# Altium PCB Goldstrike1_Rev01.PcbDoc (part 6 of 7)
Units mm, origin at the board's own origin, x right, y up, seen from the top; angles counter-clockwise.
Board outline 119.3 x 255 mm, 4 copper layers (L1, L2, L3, L4), stack 1.577 mm thick; 722 components, 224 nets, 4532 pads, 1329 vias.
Unrouted connection lines stored in the file: 147.
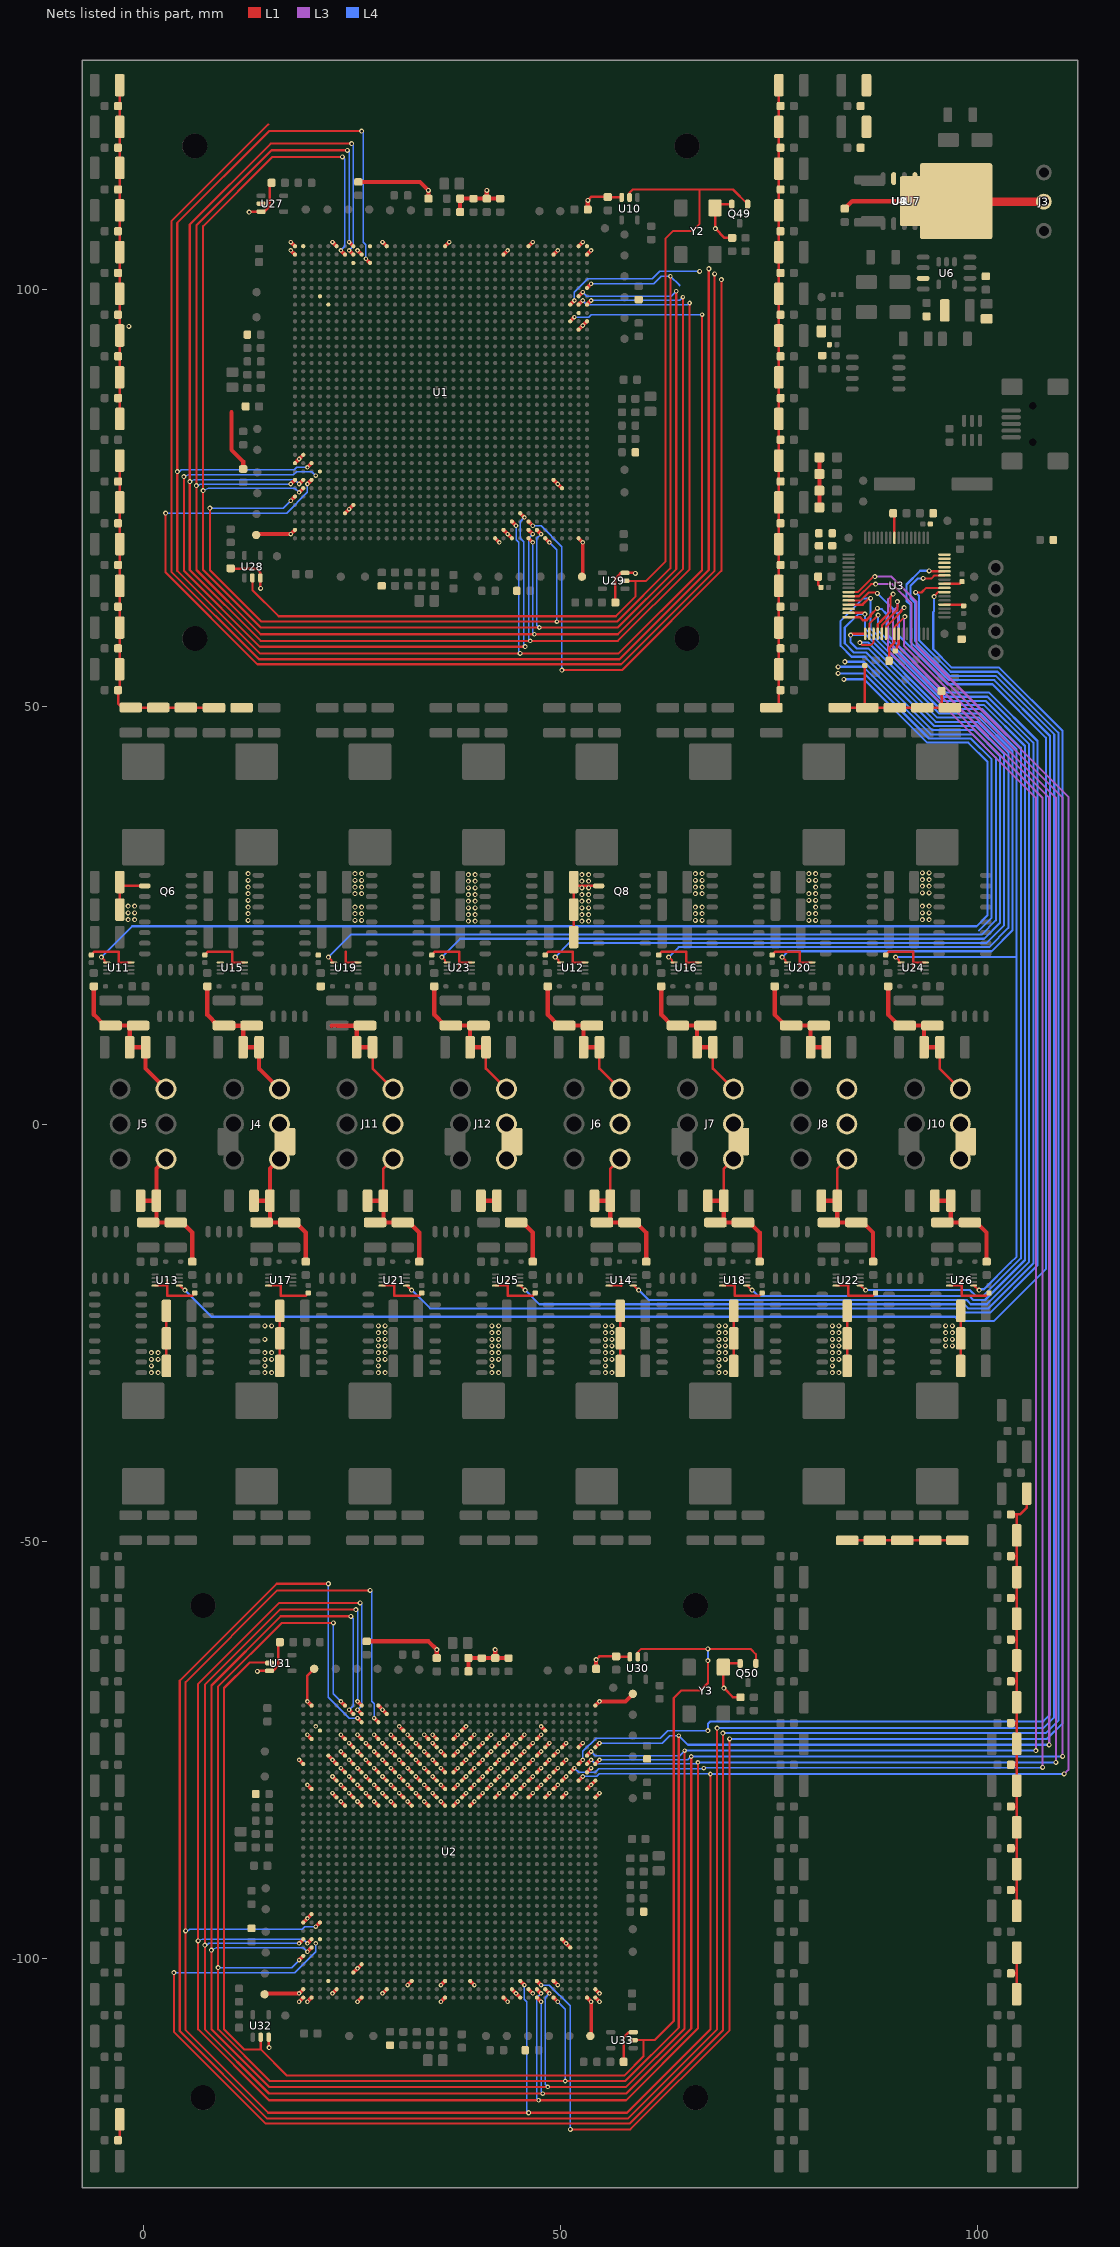
[diagram p8: the nets of this part, all layers, seen from the top]

## Via types
v1: diameter 0.6/0.6/0.6 (per signal layer), hole 0.3, L1 to L4, 672 vias
v2: diameter 0.55/0.55/0.55 (per signal layer), hole 0.25, L1 to L4, 657 vias

## Nets (pads, with @x,y where several pads share a name; then routed paths per layer and width w, separated by ;. In a path a pad name is that pad's centre, name@x,y a point inside that pad or via, vN(x,y) a via of type N, cw(c..) or ccw(c..) an arc to the next point about the centre after c; other vN are vias at no path point) (continued)
GND: C1.2 C2.2 C3.2 C4.2 C5.2 C6.2 C7.2 C8.2 C9.2 C10.2 C11.2 C12.2 C13.1 C14.2 C15.2 C16.2 C17.2 C19.1 C20.1 C21.1 C22.1 C23.1 C24.2 C25.2 C26.2 C32.1 C33.1 C34.1 C35.1 C36.1 C37.1 C38.1 C42.1 C43.1 C47.1 C48.1 C52.1 C53.1 C54.1 C55.1 C56.2 C57.2 C58.2 C59.2 C64.1 C65.1 C67.1 C68.1 C69.1 C70.1 C74.1 C75.1 C79.1 C80.1 C84.1 C85.1 C86.1 C87.1 C88.2 C89.2 C90.2 C91.2 C97.1 C101.1 C102.1 C103.1 C104.1 C105.1 C106.1 C107.1 C111.1 C112.1 C113.1 C114.1 C115.1 C116.1 C117.1 C118.1 C119.1 C120.2 C121.2 C122.2 C123.2 C128.1 C129.1 C133.1 C134.1 C135.1 C136.1 C137.1 C138.1 C139.1 C143.1 C144.1 C145.1 C146.1 C147.1 C150.2 C151.2 C158.2 C159.2 C165.1 C170.1 C171.1 C173.1 C177.1 C182.1 C185.1 C188.1 C189.1 C190.1 C191.1 C192.1 C193.1 C194.1 C195.1 C197.1 C198.1 C199.1 C200.1 C201.1 C202.1 C203.1 C204.1 C205.1 C207.1 C208.1 C209.1 C210.1 C213.1 C214.1 C215.1 C216.1 C217.1 C218.1 C220.1 C221.1 C222.1 C224.1 C225.1 C227.1 C228.1 C229.1 C230.1 C231.1 C232.1 C233.1 C234.1 C235.1 C236.1 C237.1 C238.1 C239.1 C240.1 C241.1 C243.1 C244.1 C245.1 C247.1 C248.1 C249.1 C250.1 C251.1 C252.1 C253.1 C254.1 C255.1 C256.1 C257.1 C258.1 C259.1 C262.1 C263.1 C265.1 C294.1 C297.1 C298.1 C299.1 C300.1 C301.1 C302.1 C303.1 C304.1 C305.1 C311.1 C337.1 C338.1 C339.1 C340.1 C341.1 C342.1 C343.1 C344.1 C345.1 C346.1 C347.2 C348.1 C349.1 C350.1 C351.1 C352.1 C353.1 C354.1 C355.1 C356.1 C357.1 C358.1 C359.1 C360.1 C361.1 C362.1 C363.1 C364.1 C365.1 C366.1 C367.1 C368.1 C369.1 C370.1 C371.1 C372.1 C373.1 C374.1 C375.1 C376.1 C377.1 C378.1 C379.1 C380.1 C381.1 C382.1 C383.1 C384.1 C391.1 C402.1 C403.1 C404.1 C405.1 C406.1 C407.1 C408.1 C409.1 C420.1 C421.1 C422.1 C423.1 C424.1 C425.1 C426.1 C427.1 C428.1 C429.1 C430.1 C431.1 C432.1 C433.1 C434.1 C435.1 C437.1 D1.1 D2.1 D3.1 D4.1 D9.2 D26.2 D27.2 D28.2 J3.2 J4.4 J4.5 J4.6 J5.4 J5.6 J6.4 J6.5 J6.6 J7.4 J7.5 J7.6 J8.4 J8.5 J8.6 J10.4 J10.5 J10.6 J11.4 J11.5 J11.6 J12.4 J12.5 J12.6 Q6.2 Q8.2 Q49.2 Q50.2 R1.2 R2.2 R3.2 R17.2 R19.2 R20.2 R22.2 R23.2 R25.2 R36.2 R38.2 R39.2 R40.2 R41.2 R43.2 R45.2 R47.2 R48.2 R49.2 TP71.1 TP73.1 TP74.1 TP75.1 TP76.1 TP77.1 U1.A2 U1.A10 U1.A12 U1.AF2 U1.AG1 U1.AH2 U1.AJ32 U1.AK33 U1.AR1 U1.AR5 U1.AR11 U1.AR28 U1.AR36 U1.AT1 U1.AT2 U1.AT8 U1.AT18 U1.AT25 U1.AT27 U1.AT35 U1.AT36 U1.B11 U1.B36 U1.D30 U1.E29 U1.G4 U1.H5 U1.K36 U1.L35 U2.A1 U2.A2 U2.A10 U2.A12 U2.A19 U2.A29 U2.A35 U2.A36 U2.AD16 U2.AD18 U2.AD19 U2.AD21 U2.AD23 U2.AD25 U2.AD27 U2.AD29 U2.AD31 U2.AE1 U2.AE5 U2.AE7 U2.AE9 U2.AE11 U2.AE13 U2.AE15 U2.AE17 U2.AE20 U2.AE22 U2.AE24 U2.AE26 U2.AE28 U2.AE30 U2.AE32 U2.AF2 U2.AF6 U2.AF8 U2.AF10 U2.AF12 U2.AF14 U2.AF16 U2.AF18 U2.AF19 U2.AF21 U2.AF23 U2.AF25 U2.AF27 U2.AF29 U2.AF31 U2.AF35 U2.AG1 U2.AG5 U2.AG7 U2.AG9 U2.AG11 U2.AG13 U2.AG15 U2.AG17 U2.AG20 U2.AG22 U2.AG24 U2.AG26 U2.AG28 U2.AG30 U2.AG32 U2.AH2 U2.AH6 U2.AH8 U2.AH10 U2.AH12 U2.AH14 U2.AH16 U2.AH18 U2.AH19 U2.AH21 U2.AH23 U2.AH25 U2.AH27 U2.AH29 U2.AH31 U2.AJ5 U2.AJ7 U2.AJ9 U2.AJ11 U2.AJ13 U2.AJ15 U2.AJ17 U2.AJ20 U2.AJ22 U2.AJ24 U2.AJ26 U2.AJ28 U2.AJ30 U2.AJ32 U2.AJ36 U2.AK6 U2.AK8 U2.AK10 U2.AK12 U2.AK14 U2.AK16 U2.AK18 U2.AK19 U2.AK21 U2.AK23 U2.AK25 U2.AK27 U2.AK29 U2.AK31 U2.AK33 U2.AL3 U2.AL5 U2.AL7 U2.AL9 U2.AL11 U2.AL13 U2.AL15 U2.AL17 U2.AL20 U2.AL22 U2.AL24 U2.AL26 U2.AL28 U2.AL30 U2.AM8 U2.AM10 U2.AM12 U2.AM14 U2.AM16 U2.AM18 U2.AM20 U2.AM21 U2.AM23 U2.AM25 U2.AM27 U2.AM29 U2.AM31 U2.AM35 U2.AN7 U2.AN17 U2.AN24 U2.AN34 U2.AR26 U2.AT1 U2.AT27 U2.AT35 U2.B1 U2.B9 U2.B11 U2.B26 U2.B32 U2.B36 U2.C6 U2.C16 U2.C19 U2.C23 U2.C33 U2.D30 U2.E29 U2.G4 U2.H5 U2.K36 U2.L35 U3.9 U3.20 U3.25 U3.41 U4.5 U4.7 U6.7 U7.4 U8.4 U10.3 U11.4 U11.9 U12.4 U12.9 U13.4 U13.9 U14.4 U14.9 U15.4 U15.9 U16.4 U16.9 U17.4 U17.9 U18.4 U18.9 U19.4 U19.9 U20.4 U20.9 U21.4 U21.9 U22.4 U22.9 U23.4 U23.9 U24.4 U24.9 U25.4 U25.9 U26.4 U26.9 U27.3 U28.3 U29.3 U30.3 U31.3 U32.3 U33.3 Y2.2 Y3.2 | length 1014.6
  L1 w0.25: -2.9,19.375 U11.4@-1.45,19.375 ; U13.4@1.45,-19.375 2.9,-19.375 ; 10.7,19.375 U15.4@12.15,19.375 ; TP73.1@13.4,70.7 TP73.1@13.559,70.596 ; TP77.1@14.4,-104.2 TP77.1@14.559,-104.304 ; U17.4@15.05,-19.375 16.5,-19.375 ; 24.3,19.375 U19.4@25.75,19.375 ; U21.4@28.65,-19.375 30.1,-19.375 ; 37.9,19.375 U23.4@39.35,19.375 ; U25.4@42.25,-19.375 43.7,-19.375 ; 51.5,19.375 U12.4@52.95,19.375 ; TP71.1@52.6,65.6 52.6,65.5 TP71.1@52.7,65.6 ; TP75.1@53.6,-109.3 53.6,-109.4 TP75.1@53.7,-109.3 ; U14.4@55.85,-19.375 57.3,-19.375 ; 65.1,19.375 U16.4@66.55,19.375 ; U18.4@69.45,-19.375 70.9,-19.375 ; 78.7,19.375 U20.4@80.15,19.375 ; U22.4@83.05,-19.375 84.5,-19.375 ; 92.3,19.375 U24.4@93.75,19.375 ; U26.4@96.65,-19.375 98.1,-19.375
  L1 w0.3: C24.2@-6.2,20.25 -5.8,20.65 -2.9,20.65 -2.9,19.375 U11.9@-2.9,18.7 ; C294.1@-3,-121.8 -2.8,-121.8 C311.1@-2.8,-119.3 ; C214.1@-3,57 C214.1@-2.8,57 ; C215.1@-3,62 C215.1@-2.8,62 ; C216.1@-3,67 C216.1@-2.8,67 ; C217.1@-3,72 C217.1@-2.8,72 ; C218.1@-3,77 C218.1@-2.8,77 ; C220.1@-3,87 C220.1@-2.8,87 ; C221.1@-3,92 C221.1@-2.8,92 ; C192.1@-3,97 C192.1@-2.8,97 ; C191.1@-3,102 C191.1@-2.8,102 ; C224.1@-3,107 C224.1@-2.8,107 ; C225.1@-3,112 C225.1@-2.802,112 ; C207.1@-3,117 C207.1@-2.8,117 ; C204.1@-3,122 C204.1@-2.8,122 ; C408.1@-2.8,25.7 C409.1@-2.8,28.535 ; C409.1@-2.8,29 C409.1@-2.8,28.535 ; C255.1@-2.8,79.5 C218.1@-2.8,77 ; C254.1@-2.8,84.5 C220.1@-2.8,87 ; C263.1@-2.8,124.5 C204.1@-2.8,122 ; Q6.2@0.2,28.535 C409.1@-2.8,28.535 ; C376.1@2.8,-29 C375.1@2.8,-25.7 C377.1@2.8,-22.4 ; U13.9@2.9,-18.7 2.9,-19.375 2.9,-20.6 5.85,-20.6 C26.2@6.2,-20.25 ; C56.2@7.4,20.25 7.8,20.65 10.7,20.65 10.7,19.375 U15.9@10.7,18.7 ; C67.1@8.5,49.9 8.485,49.915 C34.1@5.108,49.915 C236.1@1.808,49.915 C35.1@-1.492,49.915 -2.5,49.915 -3,50.415 C213.1@-3,52 -2.8,52 C36.1@-2.8,54.5 C214.1@-2.8,57 ; C432.1@10.5,66.6 10.55,66.55 13.6,66.55 14.05,66.1 U28.3@14.05,65.45 14.05,64.2 v1(14.1,64.2) ; v1(12.7,109.3) 12.75,109.35 U27.3@14.15,109.35 14.55,109.35 15.2,110 15.2,112.8 C431.1@15.4,112.8 ; v1(13.7,-65.6) 13.75,-65.55 U31.3@15.15,-65.55 15.55,-65.55 16.2,-64.9 16.2,-62.1 C435.1@16.4,-62.1 ; U32.3@15.05,-109.45 15.05,-110.7 v1(15.1,-110.7) ; J4.5@16.35,-0.019 16.35,-1.45 D28.2@17,-2.1 ; C381.1@16.4,-29 C382.1@16.4,-22.4 ; U17.9@16.5,-18.7 16.5,-19.375 16.5,-20.6 19.45,-20.6 C58.2@19.8,-20.25 ; v2(19.7,-69.2) 19.7,-66.1 TP76.1@20.5,-65.3 ; U19.9@24.3,18.7 24.3,19.375 24.3,20.65 ; C97.1@27.5,9.2 27.5,6.65 J11.6@29.95,4.2 ; C383.1@28.8,-9.2 28.8,-5.35 J11.4@29.95,-4.2 ; U21.9@30.1,-18.7 30.1,-19.375 30.1,-20.6 33.05,-20.6 C90.2@33.4,-20.25 ; C120.2@34.6,20.25 35,20.65 37.9,20.65 37.9,19.375 U23.9@37.9,18.7 ; C129.1@41.1,9.2 41.1,6.65 J12.6@43.55,4.2 ; J12.4@43.55,-4.2 43.55,-2.75 D26.2@44.2,-2.1 ; U25.9@43.7,-18.7 43.7,-19.375 43.7,-20.6 46.65,-20.6 C122.2@47,-20.25 ; C25.2@48.2,20.25 48.6,20.65 51.5,20.65 51.5,19.375 U12.9@51.5,18.7 ; C352.1@51.6,22.4 C350.1@51.6,25.7 C351.1@51.6,28.535 ; C351.1@51.6,29 C351.1@51.6,28.535 ; v1(53.3,110.7) 53.7,111.1 C430.1@55.7,111.1 55.75,111.05 U10.3@57.35,111.05 ; v1(54.3,-64.2) 54.7,-63.8 C434.1@56.7,-63.8 56.75,-63.85 U30.3@58.35,-63.85 ; Q8.2@54.6,28.535 C351.1@51.6,28.535 ; C38.1@54.7,9.2 54.7,6.65 J6.6@57.15,4.2 ; C353.1@56,-9.2 56,-5.35 J6.4@57.15,-4.2 ; C433.1@56.6,62.5 56.6,65.4 57.2,66 57.7,66 U29.3@57.75,66.05 58.95,66.05 v1(59,66) ; C356.1@57.2,-29 C355.1@57.2,-25.7 C357.1@57.2,-22.4 ; 57.3,-19.375 U14.9@57.3,-18.7 ; C437.1@57.6,-112.4 57.6,-109.5 58.2,-108.9 58.7,-108.9 U33.3@58.75,-108.85 ; C57.2@61.8,20.25 62.2,20.65 65.1,20.65 65.1,19.375 U16.9@65.1,18.7 ; C70.1@68.3,9.2 68.3,6.65 J7.6@70.75,4.2 ; Y2.2@68.5,109.75 Y2.2@68.55,109.8 ; Y3.2@69.5,-65.15 Y3.2@69.55,-65.1 ; C358.1@69.6,-9.2 69.6,-5.35 J7.4@70.75,-4.2 70.75,-2.75 D9.2@71.4,-2.1 ; Q49.2@70.55,110.25 68.9,110.25 68.55,109.9 Y2.2@68.55,109.8 ; C428.1@70.6,106.2 69.7,106.2 v1(68.6,107.3) 68.55,107.35 Y2.2@68.55,109.8 ; C361.1@70.8,-29 C360.1@70.8,-25.7 C362.1@70.8,-22.4 ; U18.9@70.9,-18.7 70.9,-19.375 70.9,-20.6 73.85,-20.6 C59.2@74.2,-20.25 ; Q50.2@71.55,-64.65 69.9,-64.65 69.55,-65 Y3.2@69.55,-65.1 ; C429.1@71.6,-68.7 70.7,-68.7 v1(69.6,-67.6) 69.55,-67.55 Y3.2@69.55,-65.1 ; C104.1@75.3,49.9 76.2,49.9 C193.1@76.2,52 ; C89.2@75.4,20.25 75.8,20.65 78.7,20.65 78.7,19.375 U20.9@78.7,18.7 ; C265.1@76.2,124.5 C222.1@76.2,122 ; C193.1@76.4,52 C193.1@76.2,52 ; C194.1@76.4,57 C194.1@76.2,57 ; C195.1@76.4,62 C195.1@76.2,62 ; C197.1@76.4,67 C197.1@76.2,67 ; C198.1@76.4,72 C198.1@76.2,72 ; C199.1@76.4,77 C199.1@76.2,77 ; C189.1@76.4,82 C189.1@76.2,82 ; C200.1@76.4,87 C200.1@76.2,87 ; C201.1@76.4,92 C201.1@76.2,92 ; C188.1@76.4,97 C188.1@76.2,97 ; C19.1@76.4,102 C19.1@76.2,102 ; C202.1@76.4,107 C202.1@76.2,107 ; C203.1@76.4,112 C203.1@76.2,112 ; C190.1@76.4,117 C190.1@76.2,117 ; C222.1@76.4,122 C222.1@76.2,122 ; C2.2@80.9,65.6 80.9,64.65 C7.2@81.25,64.3 ; C363.1@83.2,-9.2 83.2,-5.35 J8.4@84.35,-4.2 ; C105.1@83.5,49.9 C103.1@86.5,49.9 ; C113.1@84.39,-49.9 C115.1@87.69,-49.9 C114.1@90.99,-49.9 C145.1@94.337,-49.9 C147.1@97.6,-49.9 ; C366.1@84.4,-29 C365.1@84.4,-25.7 C367.1@84.4,-22.4 ; U22.9@84.5,-18.7 84.5,-19.375 84.5,-20.6 87.45,-20.6 C91.2@87.8,-20.25 ; C5.2@86.5,54.95 C103.1@86.5,49.9 ; C121.2@89,20.25 89.4,20.65 92.3,20.65 92.3,19.375 U24.9@92.3,18.7 ; C11.2@89.9,73.2 90.05,73.2 U3.41@90.05,70.25 ; C8.2@90.15,56.7 90.31,56.7 90.31,57.26 90.55,57.5 U3.9@90.55,58.75 ; U8.4@92.505,110.6 U4.5@92.505,113.3 ; C134.1@95.5,9.2 95.5,6.6 97.8,4.3 97.85,4.3 J10.6@97.95,4.2 ; C3.2@95.7,51.9 C135.1@95.7,49.9 ; U3.20@96.05,62.25 98.2,62.25 C6.2@98.35,62.1 ; U3.25@96.05,64.75 97.9,64.75 C9.2@98.15,65 ; C135.1@96.7,49.9 C135.1@95.7,49.9 ; J10.4@97.95,-4.2 97.95,-2.75 D27.2@98.6,-2.1 ; C371.1@98,-29 C370.1@98,-25.7 C372.1@98,-22.4 ; U26.9@98.1,-18.7 98.1,-19.375 98.1,-20.6 101.05,-20.6 C123.2@101.4,-20.25 ; C297.1@104,-101.8 104.7,-101.8 ; C298.1@104,-91.8 104.7,-91.8 ; C300.1@104,-86.8 104.7,-86.8 ; C302.1@104,-81.8 104.7,-81.8 ; C304.1@104,-76.8 104.7,-76.8 ; C303.1@104,-71.8 104.7,-71.8 ; C299.1@104,-66.8 104.7,-66.8 ; C305.1@104,-61.8 104.7,-61.8 ; C301.1@104,-56.8 104.7,-56.8 ; C210.1@104,-51.8 104.7,-51.8 ; C208.1@104,-46.8 104.7,-46.8 ; C258.1@104.7,-104.3 104.7,-101.8 ; C346.1@104.7,-99.3 104.7,-101.8 ; C337.1@104.7,-94.3 104.7,-91.8 ; C259.1@105.9,-44.3 105.9,-46 105.1,-46.8 104.7,-46.8 ; C225.1@-2.802,112 -2.802,109.502 C249.1@-2.8,109.5 C224.1@-2.8,107 ; C225.1@-2.802,112 C248.1@-2.802,114.597 -2.8,114.599 C207.1@-2.8,117 ; C214.1@-2.8,57 C256.1@-2.8,59.5 C215.1@-2.8,62 ; C215.1@-2.8,62 C244.1@-2.8,64.5 C216.1@-2.8,67 ; C216.1@-2.8,67 C257.1@-2.8,69.5 C217.1@-2.8,72 ; C217.1@-2.8,72 C245.1@-2.8,74.5 C218.1@-2.8,77 ; C220.1@-2.8,87 C253.1@-2.8,89.5 C221.1@-2.8,92 ; C221.1@-2.8,92 C252.1@-2.8,94.5 C192.1@-2.8,97 ; C192.1@-2.8,97 C251.1@-2.8,99.5 C191.1@-2.8,102 ; C191.1@-2.8,102 C250.1@-2.8,104.5 C224.1@-2.8,107 ; C207.1@-2.8,117 C247.1@-2.8,119.5 C204.1@-2.8,122 ; C193.1@76.2,52 C227.1@76.2,54.5 C194.1@76.2,57 ; C194.1@76.2,57 C240.1@76.2,59.5 C195.1@76.2,62 ; C195.1@76.2,62 C228.1@76.2,64.5 C197.1@76.2,67 ; C197.1@76.2,67 C241.1@76.2,69.5 C198.1@76.2,72 ; C198.1@76.2,72 C229.1@76.2,74.5 C199.1@76.2,77 ; C199.1@76.2,77 C239.1@76.2,79.5 C189.1@76.2,82 ; C189.1@76.2,82 C238.1@76.2,84.5 C200.1@76.2,87 ; C200.1@76.2,87 C237.1@76.2,89.5 C201.1@76.2,92 ; C201.1@76.2,92 C235.1@76.2,94.5 C188.1@76.2,97 ; C188.1@76.2,97 C234.1@76.2,99.5 C19.1@76.2,102 ; C19.1@76.2,102 C233.1@76.2,104.5 C202.1@76.2,107 ; C202.1@76.2,107 C232.1@76.2,109.5 C203.1@76.2,112 ; C203.1@76.2,112 C231.1@76.2,114.5 C190.1@76.2,117 ; C190.1@76.2,117 C230.1@76.2,119.5 C222.1@76.2,122 ; C103.1@86.5,49.9 C103.1@86.8,49.9 C136.1@90.1,49.9 C137.1@93.4,49.9 C135.1@95.7,49.9 ; 104.7,-91.8 C338.1@104.7,-89.3 104.7,-86.8 ; 104.7,-86.8 C344.1@104.7,-84.3 104.7,-81.8 ; 104.7,-81.8 C343.1@104.7,-79.3 104.7,-76.8 ; 104.7,-76.8 C341.1@104.7,-74.3 104.7,-71.8 ; 104.7,-71.8 C342.1@104.7,-69.3 104.7,-66.8 ; 104.7,-66.8 C339.1@104.7,-64.3 104.7,-61.8 ; 104.7,-61.8 C340.1@104.7,-59.3 104.7,-56.8 ; 104.7,-56.8 C345.1@104.7,-54.3 104.7,-51.8 ; 104.7,-51.8 C146.1@104.7,-49.3 104.7,-46.8
  L1 w0.45: TP73.1@13.4,70.7 v2(17.7,70.7) U1.B36@18.2,71.2 ; TP77.1@14.4,-104.2 v2(18.7,-104.2) U2.B36@19.2,-103.7 ; v2(17.7,104.7) U1.AR36@18.2,104.2 ; v2(17.7,105.7) U1.AT36@18.2,105.2 ; U1.K36@18.2,79.2 v2(18.7,79.7) U1.L35@19.2,80.2 ; v2(18.7,-105.2) U2.A36@19.2,-104.7 ; v2(18.7,-76.2) U2.AJ36@19.2,-76.7 ; U2.K36@19.2,-95.7 v2(19.7,-95.2) U2.L35@20.2,-94.7 ; v2(19.7,-105.2) U2.A35@20.2,-104.7 ; v2(19.7,-79.2) U2.AF35@20.2,-79.7 ; v2(19.7,-73.2) U2.AM35@20.2,-73.7 ; v2(19.7,-69.2) U2.AT35@20.2,-69.7 ; U2.AK33@22.2,-75.7 v2(22.7,-76.2) U2.AJ32@23.2,-76.7 ; v2(22.7,-104.2) U2.B32@23.2,-103.7 ; v2(22.7,-80.2) U2.AE32@23.2,-80.7 ; v2(22.7,-78.2) U2.AG32@23.2,-78.7 ; v2(23.7,-81.2) U2.AD31@24.2,-81.7 ; v2(23.7,-79.2) U2.AF31@24.2,-79.7 ; v2(23.7,-77.2) U2.AH31@24.2,-77.7 ; v2(23.7,-75.2) U2.AK31@24.2,-75.7 ; v2(23.7,-73.2) U2.AM31@24.2,-73.7 ; U1.D30@24.2,73.2 v2(24.7,73.7) U1.E29@25.2,74.2 ; v2(24.7,-80.2) U2.AE30@25.2,-80.7 ; v2(24.7,-78.2) U2.AG30@25.2,-78.7 ; v2(24.7,-76.2) U2.AJ30@25.2,-76.7 ; v2(24.7,-74.2) U2.AL30@25.2,-74.7 ; U2.D30@25.2,-101.7 v2(25.7,-101.2) U2.E29@26.2,-100.7 ; v2(25.7,-105.2) U2.A29@26.2,-104.7 ; v2(25.7,-81.2) U2.AD29@26.2,-81.7 ; v2(25.7,-79.2) U2.AF29@26.2,-79.7 ; v2(25.7,-77.2) U2.AH29@26.2,-77.7 ; v2(25.7,-75.2) U2.AK29@26.2,-75.7 ; v2(25.7,-73.2) U2.AM29@26.2,-73.7 ; v2(25.7,104.7) U1.AR28@26.2,104.2 ; v2(26.7,-80.2) U2.AE28@27.2,-80.7 ; v2(26.7,-78.2) U2.AG28@27.2,-78.7 ; v2(26.7,-76.2) U2.AJ28@27.2,-76.7 ; v2(26.7,-74.2) U2.AL28@27.2,-74.7 ; v2(27.7,-81.2) U2.AD27@28.2,-81.7 ; v2(27.7,-79.2) U2.AF27@28.2,-79.7 ; v2(27.7,-77.2) U2.AH27@28.2,-77.7 ; v2(27.7,-75.2) U2.AK27@28.2,-75.7 ; v2(27.7,-73.2) U2.AM27@28.2,-73.7 ; U2.AT27@28.2,-69.7 v2(28.7,-70.2) U2.AR26@29.2,-70.7 ; v2(28.7,-104.2) U2.B26@29.2,-103.7 ; v2(28.7,-80.2) U2.AE26@29.2,-80.7 ; v2(28.7,-78.2) U2.AG26@29.2,-78.7 ; v2(28.7,-76.2) U2.AJ26@29.2,-76.7 ; v2(28.7,-74.2) U2.AL26@29.2,-74.7 ; v2(28.7,105.7) U1.AT25@29.2,105.2 ; v2(29.7,-81.2) U2.AD25@30.2,-81.7 ; v2(29.7,-79.2) U2.AF25@30.2,-79.7 ; v2(29.7,-77.2) U2.AH25@30.2,-77.7 ; v2(29.7,-75.2) U2.AK25@30.2,-75.7 ; v2(29.7,-73.2) U2.AM25@30.2,-73.7 ; v2(30.7,-80.2) U2.AE24@31.2,-80.7 ; v2(30.7,-78.2) U2.AG24@31.2,-78.7 ; v2(30.7,-76.2) U2.AJ24@31.2,-76.7 ; v2(30.7,-74.2) U2.AL24@31.2,-74.7 ; v2(30.7,-72.2) U2.AN24@31.2,-72.7 ; v2(31.7,-103.2) U2.C23@32.2,-102.7 ; v2(31.7,-81.2) U2.AD23@32.2,-81.7 ; v2(31.7,-79.2) U2.AF23@32.2,-79.7 ; v2(31.7,-77.2) U2.AH23@32.2,-77.7 ; v2(31.7,-75.2) U2.AK23@32.2,-75.7 ; v2(31.7,-73.2) U2.AM23@32.2,-73.7 ; v2(32.7,-80.2) U2.AE22@33.2,-80.7 ; v2(32.7,-78.2) U2.AG22@33.2,-78.7 ; v2(32.7,-76.2) U2.AJ22@33.2,-76.7 ; v2(32.7,-74.2) U2.AL22@33.2,-74.7 ; v2(33.7,-81.2) U2.AD21@34.2,-81.7 ; v2(33.7,-79.2) U2.AF21@34.2,-79.7 ; v2(33.7,-77.2) U2.AH21@34.2,-77.7 ; v2(33.7,-75.2) U2.AK21@34.2,-75.7 ; v2(33.7,-73.2) U2.AM21@34.2,-73.7 ; v2(34.7,-80.2) U2.AE20@35.2,-80.7 ; v2(34.7,-78.2) U2.AG20@35.2,-78.7 ; v2(34.7,-76.2) U2.AJ20@35.2,-76.7 ; v2(34.7,-74.2) U2.AL20@35.2,-74.7 ; v2(34.7,-73.2) U2.AM20@35.2,-73.7 ; v2(35.7,-105.2) U2.A19@36.2,-104.7 ; v2(35.7,-103.2) U2.C19@36.2,-102.7 ; v2(35.7,-81.2) U2.AD19@36.2,-81.7 ; v2(35.7,-79.2) U2.AF19@36.2,-79.7 ; v2(35.7,-77.2) U2.AH19@36.2,-77.7 ; v2(35.7,-75.2) U2.AK19@36.2,-75.7 ; U1.AT18@36.2,105.2 v2(36.7,105.7) ; U2.AD18@37.2,-81.7 v2(37.7,-81.2) ; U2.AF18@37.2,-79.7 v2(37.7,-79.2) ; U2.AH18@37.2,-77.7 v2(37.7,-77.2) ; U2.AK18@37.2,-75.7 v2(37.7,-75.2) ; U2.AM18@37.2,-73.7 v2(37.7,-73.2) ; U2.AE17@38.2,-80.7 v2(38.7,-80.2) ; U2.AG17@38.2,-78.7 v2(38.7,-78.2) ; U2.AJ17@38.2,-76.7 v2(38.7,-76.2) ; U2.AL17@38.2,-74.7 v2(38.7,-74.2) ; U2.AN17@38.2,-72.7 v2(38.7,-72.2) ; U2.C16@39.2,-102.7 v2(39.7,-103.2) ; U2.AD16@39.2,-81.7 v2(39.7,-81.2) ; U2.AF16@39.2,-79.7 v2(39.7,-79.2) ; U2.AH16@39.2,-77.7 v2(39.7,-77.2) ; U2.AK16@39.2,-75.7 v2(39.7,-75.2) ; U2.AM16@39.2,-73.7 v2(39.7,-73.2) ; U2.AE15@40.2,-80.7 v2(40.7,-80.2) ; U2.AG15@40.2,-78.7 v2(40.7,-78.2) ; U2.AJ15@40.2,-76.7 v2(40.7,-76.2) ; U2.AL15@40.2,-74.7 v2(40.7,-74.2) ; U2.AF14@41.2,-79.7 v2(41.7,-79.2) ; U2.AH14@41.2,-77.7 v2(41.7,-77.2) ; U2.AK14@41.2,-75.7 v2(41.7,-75.2) ; U2.AM14@41.2,-73.7 v2(41.7,-73.2) ; U2.AE13@42.2,-80.7 v2(42.7,-80.2) ; U2.AG13@42.2,-78.7 v2(42.7,-78.2) ; U2.AJ13@42.2,-76.7 v2(42.7,-76.2) ; U2.AL13@42.2,-74.7 v2(42.7,-74.2) ; U1.A12@42.2,70.2 v2(42.7,69.7) ; U2.A12@43.2,-104.7 v2(43.7,-105.2) ; U2.AF12@43.2,-79.7 v2(43.7,-79.2) ; U2.AH12@43.2,-77.7 v2(43.7,-77.2) ; U2.AK12@43.2,-75.7 v2(43.7,-75.2) ; U2.AM12@43.2,-73.7 v2(43.7,-73.2) ; U1.B11@43.2,71.2 v2(43.7,70.7) U1.A10@44.2,70.2 ; U1.AR11@43.2,104.2 v2(43.7,104.7) ; U2.B11@44.2,-103.7 v2(44.7,-104.2) U2.A10@45.2,-104.7 ; U2.AE11@44.2,-80.7 v2(44.7,-80.2) ; U2.AG11@44.2,-78.7 v2(44.7,-78.2) ; U2.AJ11@44.2,-76.7 v2(44.7,-76.2) ; U2.AL11@44.2,-74.7 v2(44.7,-74.2) ; U2.AF10@45.2,-79.7 v2(45.7,-79.2) ; U2.AH10@45.2,-77.7 v2(45.7,-77.2) ; U2.AK10@45.2,-75.7 v2(45.7,-75.2) ; U2.AM10@45.2,-73.7 v2(45.7,-73.2) ; U2.B9@46.2,-103.7 v2(46.7,-104.2) ; U2.AE9@46.2,-80.7 v2(46.7,-80.2) ; U2.AG9@46.2,-78.7 v2(46.7,-78.2) ; U2.AJ9@46.2,-76.7 v2(46.7,-76.2) ; U2.AL9@46.2,-74.7 v2(46.7,-74.2) ; U1.AT8@46.2,105.2 v2(46.7,105.7) ; U2.AF8@47.2,-79.7 v2(47.7,-79.2) ; U2.AH8@47.2,-77.7 v2(47.7,-77.2) ; U2.AK8@47.2,-75.7 v2(47.7,-75.2) ; U2.AM8@47.2,-73.7 v2(47.7,-73.2) ; v2(47.7,-72.2) U2.AN7@48.2,-72.7 ; U2.AE7@48.2,-80.7 v2(48.7,-80.2) ; U2.AG7@48.2,-78.7 v2(48.7,-78.2) ; U2.AJ7@48.2,-76.7 v2(48.7,-76.2) ; U2.AL7@48.2,-74.7 v2(48.7,-74.2) ; U2.C6@49.2,-102.7 v2(49.7,-103.2) ; U2.AF6@49.2,-79.7 v2(49.7,-79.2) ; U2.AH6@49.2,-77.7 v2(49.7,-77.2) ; U2.AK6@49.2,-75.7 v2(49.7,-75.2) ; U1.H5@49.2,77.2 v2(49.7,76.7) U1.G4@50.2,76.2 ; U1.AR5@49.2,104.2 v2(49.7,104.7) ; U2.H5@50.2,-97.7 v2(50.7,-98.2) U2.G4@51.2,-98.7 ; U2.AE5@50.2,-80.7 v2(50.7,-80.2) ; U2.AG5@50.2,-78.7 v2(50.7,-78.2) ; U2.AJ5@50.2,-76.7 v2(50.7,-76.2) ; U2.AL5@50.2,-74.7 v2(50.7,-74.2) ; U2.AL3@52.2,-74.7 v2(52.7,-74.2) ; U1.A2@52.2,70.2 v2(52.7,69.7) TP71.1@52.7,65.6 ; U1.AF2@52.2,95.2 v2(52.7,95.7) U1.AG1@53.2,96.2 ; U1.AT2@52.2,105.2 v2(52.7,105.7) ; U2.A2@53.2,-104.7 v2(53.7,-105.2) TP75.1@53.7,-109.3 ; U2.AF2@53.2,-79.7 v2(53.7,-79.2) U2.AG1@54.2,-78.7 ; U2.AH2@53.2,-77.7 v2(53.7,-77.2) ; U1.AR1@53.2,104.2 v2(53.7,104.7) ; U2.A1@54.2,-104.7 v2(54.7,-105.2) ; U2.B1@54.2,-103.7 v2(54.7,-104.2) ; U2.AE1@54.2,-80.7 v2(54.7,-80.2) ; U2.AT1@54.2,-69.7 v2(54.7,-69.2) 57.8,-69.2